# Altium PCB NeuroPico Hub.PcbDoc (part 2 of 5) (continued)
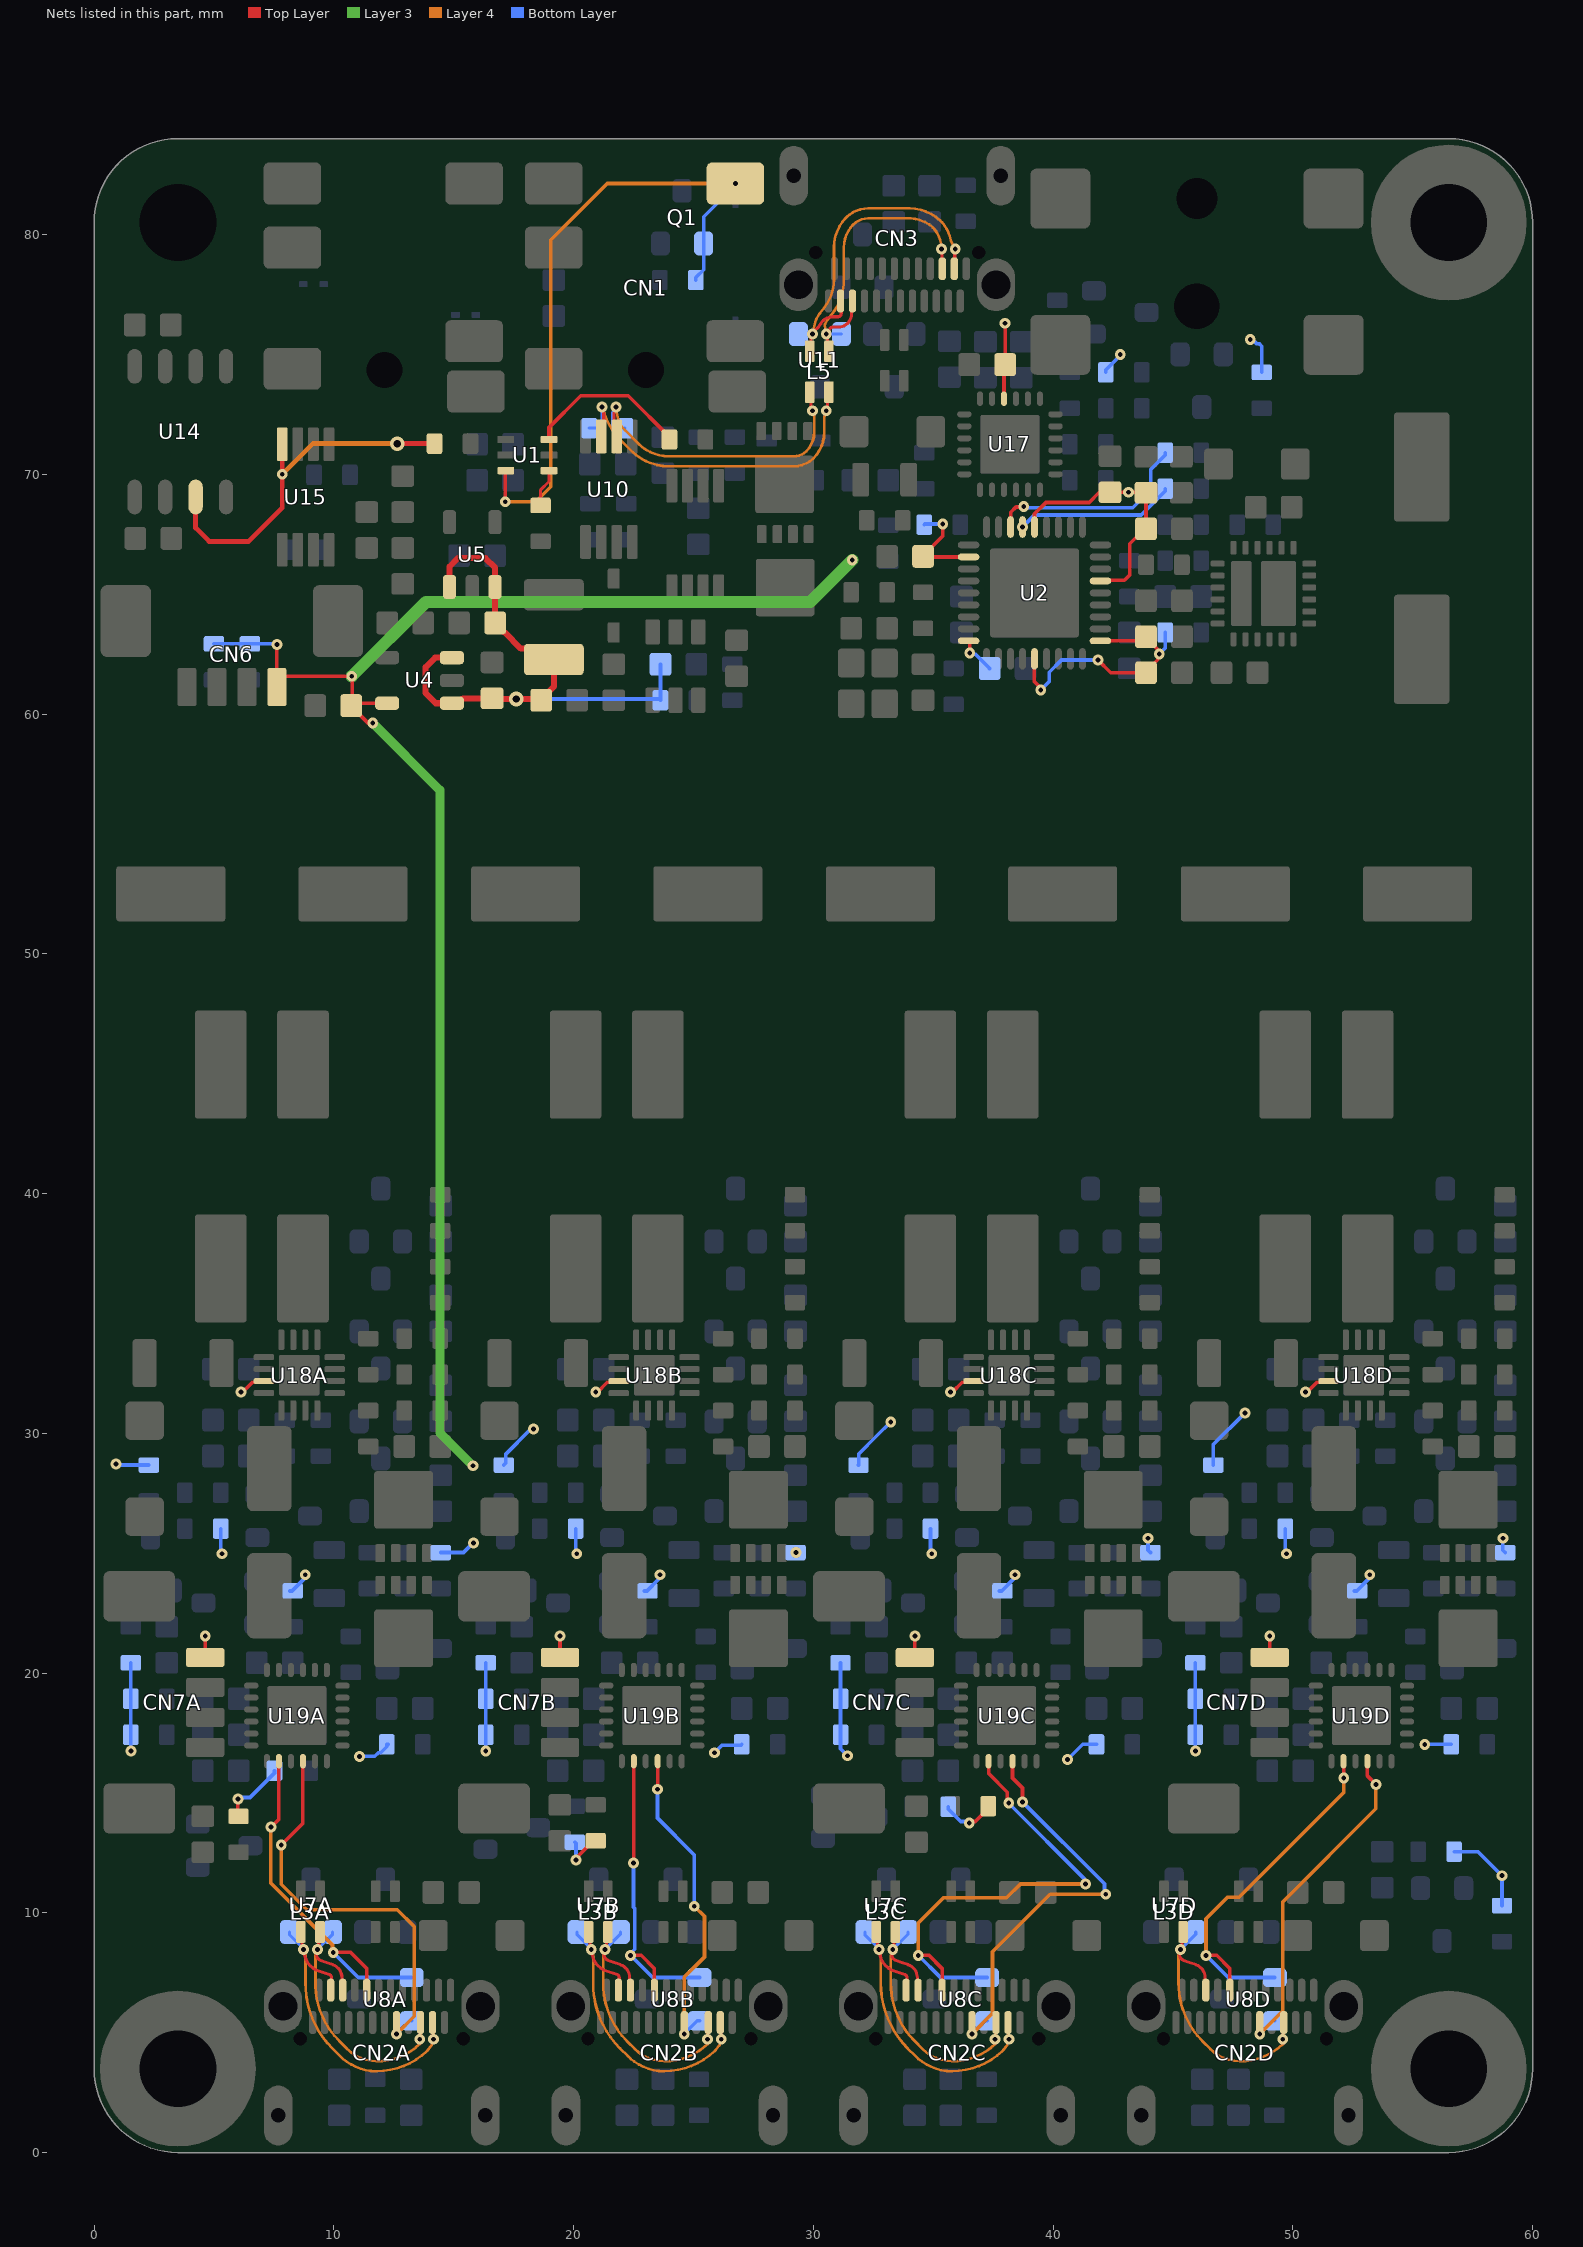
[diagram p6: the nets of this part, all layers, seen from the top]
## Part data (continued)
U1: library part CMP-9A0-0002-3, "Encoders, Decoders, Multiplexers & Demultiplexers 74LVC1G157GV-Q100/SC-74/REEL 7", LCSC Part N.=C135822, Max Output current=32mA, Max Supply Voltage=5.5V, Min Supply Voltage=1.65V, PartNumber=74LVC1G157GV
U2: library part CMP-930-0006-5, "USB251xB Series 3.6 V Surface Mount USB 2.0 Hi-Speed Hub Controller - QFN-36", LCSC Part N.=C16251, Operating Supply Voltage=3.3V, PartNumber=USB2514B-AEZC-TR, Data Rate=480Mbps, Number of Ports=4, Pick&PlaceFootprint=QFN36
U3: library part CMP-970-0044-2, "Step-down type Adjustable 800mV~15V 1.2A 4.5V~24V Switching Regulator/Controller", LCSC Part N.=C425775, Max Input Voltage=24V, Max Output current=1.2A, Max Output Voltage=15V, Min Input Voltage=4.5V, PartNumber=RT8259GJ6, Reference Voltage=0.8V, Switching Frequency=1.4MHz, Pick&PlaceFootprint=SOT23-6, RDS(ON)=300mR, Switcher Configuration=BUCK
U4 U5: library part CMP-970-0017-6, "LDO Regulator Pos 3.3V 0.2A 5-Pin SOT-23-5 200mA", Dropout Voltage=102mV, LCSC Part N.=C9840, Max Input Voltage=5.5V, Max Output current=200mA, Output Voltage=3.3V, PartNumber=TPS79333DBVR, Quiescent Current=170uA, Accuracy=2%, Line Regulation=0.05%, Load Regulation=0.03%, Output Noise=32uV, Output Type=Fixed, Pick&PlaceFootprint=SOT23-5, PSRR=70dB
U6A U6B U6C U6D U8A U8B U8C U8D U9 U12: library part CMP-210-0005-2, "Low capacitance double bidirectional ESD protection diodes in SOT23", Breakdown Voltage=7.5V, Clamp Voltage=10V, LCSC Part N.=C2858724, Stand-off Voltage=5V, PartNumber=PESD5V0L2BT, Pick&PlaceFootprint=SOT-23
U7A U7B U7C U7D U11: library part CMP-210-0000-4, "19V 13.3V 12V SOT-23 Electrostatic and Surge Protection (TVS/ESD)", Breakdown Voltage=13.3V, Clamp Voltage=19V, LCSC Part N.=C32677, PartNumber=PSM712-LF-T7, Stand-off Voltage=12V, Mount="Surface Mount", Pick&PlaceFootprint=SOT-23
U10 U15: library part CMP-930-0015-1, "3.3-V to 5-V RS-485 transceiver with ±18-kV IEC ESD protection 8-VSSOP -40 to 125", LCSC Part N.=C2860896, Max Supply Voltage=5V, Min Supply Voltage=3.3V, PartNumber=THVD1450DGKR, Data Rate=50Mbps, Simplex/Duplex="Half Duplex"
U13: library part CMP-970-0065-3, "Smart Electronic Fuse with Accurate Load Current Monitor 2.7mOhm 15A 2.7V to 24V 24-Pin VQFN T/R", LCSC Part N.=C2155765, Output Current=15A, PartNumber=TPS259827ONRGET, Accuracy=1.5%, Max Vin=24V, Min Vin=2.7V, RdsOn=2.7mR
U14: library part CMP-930-0008-4, "General Purpose Digital Isolator 2500Vrms 2 Channel 10Mbps 25kV/µs CMTI 8-SOIC (0.154", LCSC Part N.=C87626, Max Supply Voltage=5.5V, Min Supply Voltage=2.7V, PartNumber=ADUM1201BRZ-RL7, Data Rate=25Mbps, Pick&PlaceFootprint=SOIC8
U16: library part CMP-970-0064-2, "OR Controller N-Channel Single Automotive 8-Pin VSSOP T/R", LCSC Part N.=C2653685, Max Supply Voltage=42V, Min Supply Voltage=550mV, PartNumber=LM74670QDGKTQ1
U17: library part CMP-970-0029-9, "Power Supply Support Circuit", LCSC Part N.=C2678061, PartNumber=STUSB4500QTR, Pick&PlaceFootprint=QFN24
U18A U18B U18C U18D: library part CMP-970-0061-2, "5-A, 40-V, wide VIN boost, flyback, & SEPIC converter 16-WQFN -40 to 150", LCSC Part N.=C169167, Max Input Voltage=32V, Max Output current=5A, Max Output Voltage=38V, Min Input Voltage=2.9V, PartNumber=TPS55340RTER, Reference Voltage=1.229V, Switching Frequency=1.14MHz, RDS(ON)=120mR, Switcher Configuration=Boost
U19A U19B U19C U19D: library part CMP-970-0030-12, "Power Supply Support Circuit, Adjustable, 1 Channel, +0.2,.4..8,1.6,2.6", LCSC Part N.=C2655458, PartNumber=STUSB4710AQTR, Pick&PlaceFootprint=QFN24
X1: library part CMP-400-0005-2, "SMD XTL MHZ +/-10PPM, +/-15PPM-30-85C 12.0PF 250T/R", Frequency=24MHz, LCSC Part N.=C255951, PartNumber=Q24FA20H00153, Load Capatitance=12pF, Mount=SMD, Type=Passive

## Free pads (board coordinates)
  round 6.5 hole 3.2: 0(3.5,3.5) 0(56.5,3.5) 0(56.5,80.5)
  round 0 hole 3.2 unplated: 0(3.5,80.5)

## Via types
v1: diameter 0.45, hole 0.2, Top Layer to Bottom Layer, tented both sides, 570 vias
v2: diameter 0.5, hole 0.2, Top Layer to Bottom Layer, tented both sides, 38 vias
v3: diameter 0.61, hole 0.305, Top Layer to Bottom Layer, tented both sides, 23 vias

## Nets (pads, with @x,y where several pads share a name; then routed paths per layer and width w, separated by ;. In a path a pad name is that pad's centre, name@x,y a point inside that pad or via, vN(x,y) a via of type N, cw(c..) or ccw(c..) an arc to the next point about the centre after c; other vN are vias at no path point)
3V3: C6.2 C7.2 C8.2 C9.2 C10.2 C11.2 C12.2 C19.2 C46.2 CN6.1 CN7A.1 CN7B.1 CN7C.1 CN7D.1 R6.1 R15.1 R16.1 R24.2 R39.2 R40.2 R50A.2 R50B.2 R50C.2 R50D.2 R51A.2 R51B.2 R51C.2 R51D.2 R52A.2 R52B.2 R52C.2 R52D.2 R53A.2 R53B.2 R53C.2 R53D.2 R54A.2 R54B.2 R54C.2 R54D.2 R55A.2 R55B.2 R55C.2 R55D.2 R56A.2 R56B.2 R56C.2 R56D.2 R57A.2 R57B.2 R57C.2 R57D.2 R63A.2 R63B.2 R63C.2 R63D.2 R64A.2 R64B.2 R64C.2 R64D.2 U2.5 U2.10 U2.15 U2.23 U2.29 U2.36 U4.5 U17.22 U18A.3 U18B.3 U18C.3 U18D.3 | length 159.9
  Top Layer w0.152: CN7A.1@4.635,20.65 4.635,21.525 v1@4.66,21.55 ; v1(6,14.75) 6,14.05 R55A.2@6.025,14.025 ; v1(6.125,31.725) 6.206,31.725 6.607,32.126 7.036,32.126 U18A.3@7.085,32.175 ; CN6.1@7.625,61.125 7.625,61.203 v1(7.625,62.9) ; CN6.1@7.664,61.164 7.664,61.292 7.947,61.575 v1(10.75,61.575) 10.775,61.55 C19.2@10.775,60.4 ; C19.2@10.725,60.35 10.725,60.325 11.425,59.625 v1(11.625,59.625) ; C19.2@10.825,60.45 U4.5@12.225,60.45 ; CN7B.1@19.435,20.65 19.435,21.525 v1@19.46,21.55 ; v1(20.1,12.2) 20.1,12.272 20.828,13 R55B.2@20.925,13 ; v1(20.925,31.725) 21.006,31.725 21.407,32.126 21.836,32.126 U18B.3@21.885,32.175 ; CN7C.1@34.235,20.65 34.235,21.525 v1@34.26,21.55 ; v1(35.4,67.925) 35.391,67.916 35.391,67.416 34.6,66.625 34.6,66.55 U2.29@36.475,66.55 ; v1(35.725,31.725) 35.806,31.725 36.207,32.126 36.636,32.126 U18C.3@36.685,32.175 ; U2.36@36.475,63.05 36.525,63 v1(36.525,62.55) ; v1(36.5,13.75) 36.557,13.807 36.757,13.807 37.3,14.35 R55C.2@37.3,14.45 ; U17.22@37.95,73.15 37.95,74.525 C46.2@38,74.575 v1(38,76.3) ; U2.5@39.225,62.3 39.212,62.287 39.212,61.354 39.484,61.082 v1(39.484,61.002) ; U2.23@39.225,67.8 39.225,68.35 39.7,68.825 41.505,68.825 41.93,69.25 C6.2@42.012,69.25 ; v1(41.875,62.25) 42.4,61.725 C10.2@43.875,61.725 43.875,61.77 44.368,62.263 44.368,62.443 v1(44.425,62.5) 44.368,62.557 44.368,62.687 43.875,63.18 C9.2@43.875,63.225 43.7,63.05 U2.10@41.975,63.05 ; U2.15@41.975,65.55 41.999,65.574 42.974,65.574 43.2,65.8 43.2,67.1 C12.2@43.825,67.725 ; C6.2@42.413,69.25 v1(43.15,69.25) 43.85,69.25 C7.2@43.875,69.225 C12.2@43.875,67.725 ; CN7D.1@49.035,20.65 49.035,21.525 v1@49.06,21.55 ; v1(50.525,31.725) 50.606,31.725 51.007,32.126 51.436,32.126 U18D.3@51.485,32.175
  Layer 3 w0.381: v1(11.625,59.625) 14.425,56.825 14.425,30.025 v1(15.8,28.65)
  Layer 3 w0.508: v1(10.75,61.575) 13.85,64.675 29.875,64.675 v1(31.625,66.425)
  Bottom Layer w0.152: v1(0.91,28.725) 0.96,28.675 R50A.2@2.285,28.675 ; v1(1.535,16.75) R64A.2@1.535,17.425 R63A.2@1.535,18.925 1.535,19.7 R51A.2@1.535,20.425 ; R40.2@5,62.925 R39.2@6.5,62.925 7.6,62.925 v1(7.625,62.9) ; R52A.2@5.285,26.025 5.285,25.025 v1(5.335,24.975) ; v1(6,14.75) 6.057,14.807 6.504,14.807 7.525,15.828 R54A.2@7.525,15.925 ; R53A.2@8.16,23.425 8.26,23.425 8.753,23.918 8.753,24.043 v1(8.81,24.1) ; v1(11.075,16.525) 11.71,16.525 11.864,16.679 11.962,16.679 12.21,16.928 R57A.2@12.21,17.025 ; R57A.2@12.25,17 R57A.2@12.275,17.025 ; R56A.2@14.46,25.025 15.408,25.025 15.808,25.425 v1(15.825,25.425) ; v1(16.335,16.75) R64B.2@16.335,17.425 R63B.2@16.335,18.925 16.335,19.7 R51B.2@16.335,20.425 ; R50B.2@17.085,28.675 17.178,28.768 17.178,29.139 18.157,30.118 18.268,30.118 v1(18.325,30.175) ; R54B.2@20.05,12.95 20.1,12.9 v1(20.1,12.2) ; R52B.2@20.085,26.025 20.085,25.025 v1(20.135,24.975) ; R53B.2@22.96,23.425 23.06,23.425 23.553,23.918 23.553,24.043 v1(23.61,24.1) ; v1(25.875,16.675) 26.196,16.995 26.98,16.995 R57B.2@27.01,17.025 ; R56B.2@29.26,25.025 v1(29.275,25.025) ; R51C.2@31.135,20.425 31.135,19.7 R63C.2@31.135,18.925 R64C.2@31.135,17.425 31.135,16.84 v1(31.425,16.55) ; R50C.2@31.885,28.675 31.889,28.679 31.889,29.139 32.651,29.901 v1(33.225,30.475) ; R6.1@34.625,67.9 34.65,67.925 v1(35.4,67.925) ; R52C.2@34.885,26.025 34.885,25.025 v1(34.935,24.975) ; R54C.2@35.625,14.425 35.625,14.325 36.143,13.807 36.443,13.807 v1(36.5,13.75) ; v1(36.525,62.55) 36.582,62.493 36.762,62.493 37.35,61.905 C8.2@37.35,61.9 ; R53C.2@37.76,23.425 37.86,23.425 38.353,23.918 38.353,24.043 v1(38.41,24.1) ; v1(39.484,61.002) 39.841,61.359 39.841,61.741 40.35,62.25 v1(41.875,62.25) ; v1@40.592,16.415 v1(40.607,16.4) 41.232,17.025 R57C.2@41.81,17.025 ; R15.1@42.2,74.25 42.2,74.353 42.8,74.953 v1(42.8,75) ; v1(43.96,25.62) 43.96,25.125 R56C.2@44.06,25.025 ; v1(44.425,62.5) 44.675,62.75 R24.2@44.675,63.4 ; v1(45.935,16.75) R64D.2@45.935,17.425 R63D.2@45.935,18.925 45.935,19.7 R51D.2@45.935,20.425 ; R50D.2@46.685,28.675 46.685,29.535 v1(48,30.85) ; v1(48.225,75.625) 48.306,75.625 48.481,75.45 48.592,75.45 48.7,75.342 R16.1@48.7,74.25 ; R52D.2@49.685,26.025 49.685,25.025 v1(49.735,24.975) ; R53D.2@52.56,23.425 52.66,23.425 53.153,23.918 53.153,24.043 v1(53.21,24.1) ; v1(55.5,17.025) R57D.2@56.61,17.025 ; R55D.2@56.725,12.55 57.725,12.55 v1(58.725,11.55) R54D.2@58.725,10.3 ; v1(58.76,25.62) 58.76,25.125 R56D.2@58.86,25.025
  other v1: 4.635,21.55 19.435,21.55 34.235,21.55 49.035,21.55
3V76: C16.2 C17.2 C18.2 C22.2 L1.2 R12.2 U4.1 U4.3 U5.1 U5.3 | length 25.4
  Top Layer w0.254: U5.1@14.825,65.3 14.825,66.15 15.175,66.5 16.325,66.5 16.725,66.1 U5.3@16.725,65.3 C18.2@16.725,63.8 16.725,63.795 17.118,63.401 17.124,63.401 17.801,62.724 18.726,62.724 L1.2@19.175,62.275 19.175,61.145 18.65,60.62 C17.2@18.65,60.575 18.6,60.625 v3(17.613,60.625) 16.625,60.625 C22.2@16.6,60.65 15.383,60.65 15.183,60.45 14.25,60.45 13.825,60.875 13.825,61.95 14.225,62.35 U4.3@14.925,62.35
  Bottom Layer w0.152: v3(17.613,60.625) 23.575,60.625 R12.2@23.625,60.575 C16.2@23.625,62.075
C\L\K\_\D\E\T\: CN1.4 D3.2 Q1.1 R3.1 U1.6 | length 27.2
  Top Layer w0.152: v1(17.15,68.85) 17.15,70.125 U1.6@17.175,70.15
  Layer 4 w0.152: v1(17.15,68.85) 18.425,68.85 19.05,69.475 19.05,79.775 21.4,82.125 v1(26.75,82.125)
  Bottom Layer w0.152: R3.1@25.1,78.1 25.1,78.203 25.425,78.528 Q1.1@25.425,79.625 25.425,80.745 26.75,82.07 v1(26.75,82.125)
CC10: CN2A.A5 U8A.1 U19A.2 | length 15.5
  Top Layer w0.152: v1(7.376,13.573) 7.71,13.907 U19A.2@7.71,16.325 ; v1(9.975,8.348) 10.702,8.348 11.37,7.68 CN2A.A5@11.37,6.775
  Layer 4 w0.152: v1(7.376,13.573) 7.376,11.229 9.948,8.657 9.948,8.375 v1(9.975,8.348)
  Bottom Layer w0.152: v1(9.975,8.348) 11.023,7.3 U8A.1@13.25,7.3
CC11: CN2B.A5 U8B.1 U19B.2 | length 13.6
  Top Layer w0.152: v1(22.375,8.225) 22.825,8.225 23.37,7.68 CN2B.A5@23.37,6.775 ; v1(22.5,12.075) 22.51,12.085 U19B.2@22.51,16.325
  Bottom Layer w0.152: v1(22.5,12.075) 22.5,10.237 22.553,10.184 22.553,8.484 22.375,8.306 v1(22.375,8.225) 23.3,7.3 U8B.1@25.25,7.3
CC12: CN2C.A5 U8C.1 U19C.2 | length 21.2
  Top Layer w0.152: v1(34.375,8.225) 34.825,8.225 35.37,7.68 CN2C.A5@35.37,6.775 ; U19C.2@37.31,16.325 37.323,16.312 37.323,15.796 38.093,15.027 38.093,14.632 v1(38.15,14.575)
  Layer 4 w0.152: v1(34.375,8.225) 34.375,9.575 35.434,10.634 38.067,10.634 38.636,11.203 v1(41.35,11.203)
  Bottom Layer w0.152: v1(34.375,8.225) 35.3,7.3 U8C.1@37.25,7.3 ; v1(38.15,14.575) 41.293,11.432 41.293,11.26 v1(41.35,11.203)
CC13: CN2D.A5 U8D.1 U19D.2 | length 16.2
  Top Layer w0.152: v1(46.375,8.225) 46.825,8.225 47.37,7.68 CN2D.A5@47.37,6.775 ; U19D.2@52.11,16.325 52.118,16.318 52.118,15.632 v1(52.125,15.625)
  Layer 4 w0.152: v1(46.375,8.225) 46.375,9.75 47.275,10.65 47.755,10.65 52.125,15.02 v1(52.125,15.625)
  Bottom Layer w0.152: v1(46.375,8.225) 47.3,7.3 U8D.1@49.25,7.3
CC20: CN2A.B5 U8A.2 U19A.4 | length 17.9
  Top Layer w0.152: v1(7.804,12.825) 8.71,13.731 U19A.4@8.71,16.325 ; v1(12.618,4.949) v1(12.618,4.949) CN2A.B5@12.62,5.425
  Layer 4 w0.152: v1(7.804,12.825) 7.804,11.196 8.871,10.129 12.646,10.129 13.35,9.425 13.35,5.681 v1(12.618,4.949)
  Bottom Layer w0.152: v1(12.618,4.949) 12.618,4.958 13.16,5.5 U8A.2@13.25,5.5
CC21: CN2B.B5 U8B.2 U19B.4 | length 13.9
  Top Layer w0.152: v1(23.5,15.15) 23.505,15.155 23.505,16.32 U19B.4@23.51,16.325 ; v1(24.618,4.949) 24.62,4.951 CN2B.B5@24.62,5.425
  Layer 4 w0.152: v1(24.618,4.949) 24.618,7.318 25.46,8.16 25.46,9.852 v1(25.034,10.277)
  Bottom Layer w0.152: v1(23.5,15.15) 23.5,13.95 25.034,12.416 v1(25.034,10.277) ; v1(24.618,4.949) 24.618,4.958 25.16,5.5 U8B.2@25.25,5.5
CC22: CN2C.B5 U8C.2 U19C.4 | length 18
  Top Layer w0.152: v1(36.618,4.949) v1(36.618,4.949) CN2C.B5@36.62,5.425 ; U19C.4@38.31,16.325 38.31,15.622 38.725,15.207 v1(38.725,14.625)
  Layer 4 w0.152: v1(36.618,4.949) 37.475,5.806 37.475,8.375 39.875,10.775 v1(42.2,10.775)
  Bottom Layer w0.152: v1(36.618,4.949) 36.618,4.958 37.16,5.5 U8C.2@37.25,5.5 ; v1(38.725,14.625) 42.143,11.207 42.143,10.832 v1(42.2,10.775)
CC23: CN2D.B5 U8D.2 U19D.4 | length 14.9
  Top Layer w0.152: v1(48.618,4.949) 48.62,4.951 CN2D.B5@48.62,5.425 ; U19D.4@53.11,16.325 53.11,15.71 v1(53.463,15.357)
  Layer 4 w0.152: v1(48.618,4.949) 49.575,5.906 49.575,10.45 53.463,14.338 v1(53.463,15.357)
  Bottom Layer w0.152: v1(48.618,4.949) 48.618,4.958 49.16,5.5 U8D.2@49.25,5.5
CFG_SEL0: R8.1 U2.24 | length 6.7
  Bottom Layer w0.152: v1(38.725,67.8) 39.225,68.3 43.672,68.3 44.675,69.303 R8.1@44.675,69.4
CFG_SEL1: R9.1 U2.25 | length 8.7
  Top Layer w0.152: U2.25@38.225,67.8 38.237,67.812 38.237,68.412 38.457,68.632 38.757,68.632 v1(38.775,68.65)
  Bottom Layer w0.152: v1(38.775,68.65) 38.825,68.6 43.325,68.6 44.075,69.35 44.075,70.2 44.675,70.8 R9.1@44.675,70.9
CLK_CN_N: CN3.A10 CN3.B10 L5.4 U11.2 | length 13.6
  Top Layer w0.13: L5.4@30.65,75.125 30.594,75.181 30.594,75.794 v1(30.539,75.85) 30.682,76.053 cw(c30.802,76.004) 30.801,76.134 31.033,76.134 ccw(c31.033,76.698) 31.597,76.699 31.597,76.862 CN3.A10@31.63,77.225 ; v1(35.341,79.4) 35.361,79.381 35.361,78.594 CN3.B10@35.38,78.575
  Layer 4 w0.112: v1(30.539,75.85) 30.48,76.2 cw(c30.591,76.218) 30.494,76.274 30.592,76.443 cw(c30.688,76.387) 30.602,76.457 30.732,76.618 ccw(c28.839,78.151) 31.275,78.148 ccw(c28.839,78.151) 31.275,78.15 31.275,79.463 31.275,79.466 cw(c32.624,79.466) 31.666,80.416 31.668,80.418 cw(c31.751,80.343) 31.673,80.422 cw(c32.286,79.795) 32.286,80.672 34.007,80.672 34.011,80.672 cw(c34.009,79.208) 34.012,80.672 cw(c34.009,79.208) 34.059,80.671 cw(c34.009,79.224) 34.993,80.286 cw(c34.918,80.204) 34.997,80.283 35.038,80.242 cw(c34.96,80.162) 35.046,80.234 cw(c34.018,79.4) v1(35.341,79.4)
  Bottom Layer w0.13: v1(30.539,75.85) U11.2@31.175,75.85
CLK_CN_P: CN3.A11 CN3.B11 L5.1 U11.1 | length 14.5
  Top Layer w0.13: L5.1@29.85,75.125 29.906,75.181 29.906,75.794 v1(29.961,75.85) cw(c30.091,75.85) 30.002,75.944 30.221,76.154 30.27,76.223 30.308,76.278 cw(c30.802,76.004) 30.801,76.568 31.033,76.568 ccw(c31.033,76.698) 31.163,76.698 31.163,76.862 CN3.A11@31.13,77.225 ; CN3.B11@35.88,78.575 35.899,78.594 35.899,79.381 v1(35.918,79.4)
  Layer 4 w0.112: v1(29.961,75.85) 30.076,76.339 cw(c30.591,76.218) 30.133,76.482 30.231,76.651 cw(c30.592,76.443) 30.232,76.653 cw(c30.688,76.387) 30.278,76.719 30.408,76.88 ccw(c28.839,78.151) 30.858,78.148 ; 30.858,78.15 30.858,79.463 30.858,79.466 cw(c32.625,79.466) 31.37,80.709 cw(c31.45,80.631) 31.371,80.71 31.379,80.718 cw(c31.673,80.422) 31.381,80.72 cw(c32.286,79.795) 32.286,81.089 34.009,81.089 34.016,81.089 cw(c34.009,79.224) 35.279,80.59 cw(c34.918,80.204) 35.289,80.58 35.355,80.515 ; 35.355,80.514 35.356,80.513 cw(c34.323,79.534) 35.726,79.775 ccw(c35.836,79.795) 35.737,79.743 v1(35.918,79.4)
CLK_IN: R1.1 U1.3 | length 6.9
  Top Layer w0.152: U1.3@18.975,71.45 18.975,71.95 20.3,73.275 22.275,73.275 24,71.55 R1.1@24,71.45
CLK_N: L5.3 R18.1 U10.7 | length 15.7
  Top Layer w0.13: U10.7@21.15,71.575 21.258,71.683 21.258,72.564 21.248,72.574 21.248,72.739 v1(21.187,72.8) ; v1(30.539,72.65) 30.594,72.706 30.594,73.369 L5.3@30.65,73.425
  Layer 4 w0.112: v1(21.187,72.8) 21.301,72.485 ccw(c24.142,73.519) 21.494,72.06 21.588,71.89 ccw(c23.032,72.685) 21.86,71.526 22.231,71.155 22.409,70.977 ccw(c23.971,72.55) 23.971,70.333 29.201,70.333 ccw(c29.2,71.474) 29.997,70.658 29.999,70.66 cw(c30.08,70.584) 30.001,70.662 ccw(c29.2,71.473) 30.005,70.666 ccw(c28.898,71.766) 30.458,71.765 30.458,71.767 30.458,72.415 30.474,72.431 30.474,72.585 v1(30.539,72.65)
  Bottom Layer w0.13: R18.1@20.65,71.925 21.107,71.925 21.183,72.001 21.183,72.365 21.196,72.378 21.196,72.791 v1(21.187,72.8)
CLK_OUT: R2.1 U14.3 U15.4 | length 15.3
  Top Layer w0.203: U14.3@4.235,69.05 4.235,67.765 4.8,67.2 6.45,67.2 7.85,68.6 U15.4@7.85,71.25 U15.4@7.861,71.261 ; v3(12.65,71.275) R2.1@14.2,71.275
  Layer 4 w0.203: v1(7.85,70) 9.125,71.275 v3(12.65,71.275)
CLK_P: L5.2 R18.2 U10.6 | length 14.2
  Top Layer w0.13: 21.692,72.564 21.692,71.683 U10.6@21.8,71.575 ; L5.2@29.85,73.425 29.906,73.369 29.906,72.706 v1(29.961,72.65)
  Layer 4 w0.112: v1(21.764,72.8) 21.819,72.473 ccw(c23.032,72.685) 22.155,71.82 22.156,71.819 22.702,71.273 ; 22.703,71.272 ccw(c23.971,72.55) 23.971,70.75 29.201,70.75 ccw(c29.2,71.473) 29.706,70.956 29.708,70.959 ccw(c29.2,71.473) 29.71,70.96 ccw(c28.898,71.766) 30.042,71.765 30.042,71.767 30.042,72.415 30.026,72.431 30.026,72.585 v1(29.961,72.65)
  Bottom Layer w0.13: v1@21.621,72.8 21.702,72.719 21.702,72.652 21.63,72.58 21.63,72.198 21.617,72.185 21.617,72.001 21.693,71.925 R18.2@22.15,71.925
CLK_USB: R19.2 U1.1 | length 1.6
  Top Layer w0.13: R19.2@18.625,68.7 18.625,69.35 18.975,69.7 U1.1@18.975,70.15
CLKOUT_CNA_N: CN2A.A3 CN2A.B3 L3A.3 U7A.1 | length 13
  Top Layer w0.13: L3A.3@9.425,9.2 9.369,9.144 9.369,8.531 v1(9.314,8.475) 9.278,8.333 ccw(c9.542,8.268) 9.453,8.011 9.692,7.927 9.959,7.835 cw(c9.773,7.302) 10.337,7.302 ; 10.337,7.301 10.337,6.854 ccw(c10.449,6.854) CN2A.A3@10.37,6.775 ; v1(13.582,4.725) ccw(c13.535,4.771) 13.601,4.771 13.601,5.379 cw(c13.666,5.379) CN2A.B3@13.62,5.425
  Layer 4 w0.112: v1(9.314,8.475) ccw(c9.47,8.319) 9.249,8.319 9.249,8.256 ccw(c9.286,8.218) 9.233,8.218 9.233,7.094 9.233,7.092 9.233,7.055 ccw(c12.645,7.055) 9.259,6.639 cw(c7.88,6.4) 9.272,6.542 ccw(c12.645,7.055) 10.231,4.644 10.561,4.314 ccw(c11.78,5.537) 11.78,3.81 ccw(c11.78,6.449) 13.602,4.54 ccw(c13.524,4.62) 13.609,4.694 v1(13.582,4.725)
  Bottom Layer w0.13: v1(9.314,8.475) 9.319,8.475 9.95,9.106 U7A.1@9.95,9.2
CLKOUT_CNA_P: CN2A.A2 CN2A.B2 L3A.2 U7A.2 | length 14.2
  Top Layer w0.13: L3A.2@8.625,9.2 8.681,9.144 8.681,8.531 v1(8.737,8.475) ; v1@8.771,8.385 ccw(c9.597,8.375) 9.123,7.699 9.136,7.689 ccw(c9.542,8.268) 9.31,7.6 9.816,7.424 cw(c9.773,7.302) 9.903,7.302 9.903,7.138 CN2A.A2@9.87,6.775 ; CN2A.B2@14.12,5.425 cw(c14.074,5.379) 14.139,5.379 14.139,4.771 ccw(c14.205,4.771) v1(14.159,4.725)
  Layer 4 w0.112: v1(8.737,8.475) cw(c8.58,8.319) 8.801,8.319 8.801,8.278 ccw(c8.854,8.278) 8.817,8.24 8.817,7.095 ccw(c9.233,7.094) 8.817,7.094 8.817,7.092 8.817,7.055 ccw(c12.645,7.055) 8.846,6.582 ccw(c9.053,6.608) 8.847,6.572 cw(c7.88,6.4) 8.858,6.495 ccw(c9.065,6.516) 8.859,6.486 ccw(c12.645,7.055) 9.937,4.349 10.266,4.02 10.388,3.898 10.53,3.796 ccw(c11.78,5.537) 11.78,3.394 ccw(c11.78,6.449) 13.89,4.238 ccw(c13.524,4.62) 13.943,4.298 14.065,4.457 ccw(c13.977,4.525) 14.066,4.458 14.084,4.482 14.094,4.506 ; 14.094,4.506 v1@14.158,4.725
  Bottom Layer w0.13: U7A.2@8.15,9.2 8.15,9.081 8.737,8.494 v1(8.737,8.475)
CLKOUT_CNB_N: CN2B.A3 CN2B.B3 L3B.3 U7B.1 | length 15.4
  Top Layer w0.13: L3B.3@21.425,9.2 21.369,9.144 v1@21.369,8.531 ; v1(25.582,4.725) ccw(c25.535,4.771) 25.601,4.771 25.601,5.379 cw(c25.666,5.379) CN2B.B3@25.62,5.425 ; v1@21.278,8.333 ccw(c21.542,8.268) 21.453,8.011 ; v1@21.278,8.333 ccw(c21.542,8.268) 21.453,8.011 ; v1@21.278,8.333 v1(21.314,8.475) ; v1@21.278,8.333 v1(21.314,8.475) ; v1(21.314,8.475) v1@21.369,8.531 ; v1(21.314,8.475) v1@21.369,8.531 ; 21.453,8.011 21.692,7.927 ; 21.453,8.011 21.692,7.927 ; 21.692,7.927 21.959,7.835 ; 21.692,7.927 21.959,7.835 ; 21.959,7.835 cw(c21.773,7.302) 22.337,7.302 ccw(c21.773,7.302) 21.959,7.835 ; CN2B.A3@22.337,6.854 ccw(c22.449,6.854) CN2B.A3@22.37,6.775 cw(c22.449,6.854) CN2B.A3@22.337,6.854 ; CN2B.A3@22.337,6.854 22.337,7.301 CN2B.A3@22.337,6.854
  Layer 4 w0.112: v1(21.314,8.475) ccw(c21.47,8.319) 21.249,8.319 21.249,8.256 ccw(c21.286,8.218) 21.233,8.218 21.233,7.094 21.233,7.092 21.233,7.055 ccw(c24.645,7.055) 21.259,6.639 cw(c19.88,6.4) 21.272,6.542 ccw(c24.645,7.055) 22.231,4.644 22.561,4.314 ccw(c23.78,5.537) 23.78,3.81 ccw(c23.78,6.449) 25.602,4.54 ccw(c25.524,4.62) 25.609,4.694 v1(25.582,4.725)
  Bottom Layer w0.13: U7B.1@21.95,9.2 21.95,9.106 v1@21.319,8.475 ; v1@21.319,8.475 v1(21.314,8.475) v1@21.319,8.475
CLKOUT_CNB_P: CN2B.A2 CN2B.B2 L3B.2 U7B.2 | length 16.5
  Top Layer w0.13: L3B.2@20.625,9.2 20.681,9.144 v1@20.681,8.531 ; CN2B.B2@26.12,5.425 cw(c26.074,5.379) 26.139,5.379 26.139,4.771 ccw(c26.205,4.771) v1(26.159,4.725) ; v1@20.681,8.531 v1(20.737,8.475) v1@20.681,8.531 ; 21.123,7.699 cw(c21.597,8.375) 20.771,8.385 ccw(c21.597,8.375) 21.123,7.699 ; 21.123,7.699 21.136,7.689 ; 21.123,7.699 21.136,7.689 ; 21.136,7.689 ccw(c21.542,8.268) 21.31,7.6 ; 21.136,7.689 ccw(c21.542,8.268) 21.31,7.6 ; 21.31,7.6 21.816,7.424 ; 21.31,7.6 21.816,7.424 ; 21.816,7.424 cw(c21.773,7.302) 21.903,7.302 ; 21.816,7.424 cw(c21.773,7.302) 21.903,7.302 ; CN2B.A2@21.903,7.138 CN2B.A2@21.87,6.775 CN2B.A2@21.903,7.138 ; CN2B.A2@21.903,7.138 21.903,7.302 ; CN2B.A2@21.903,7.138 21.903,7.302
  Layer 4 w0.112: v1(20.737,8.475) cw(c20.58,8.319) 20.801,8.319 20.801,8.278 ccw(c20.854,8.278) 20.817,8.24 20.817,7.095 ccw(c21.233,7.094) 20.817,7.094 20.817,7.092 20.817,7.055 ccw(c24.645,7.055) 20.846,6.582 ccw(c21.053,6.608) 20.847,6.572 cw(c19.88,6.4) 20.858,6.495 ccw(c21.065,6.516) 20.859,6.486 ccw(c24.645,7.055) 21.937,4.349 22.266,4.02 22.388,3.898 22.53,3.796 ccw(c23.78,5.537) 23.78,3.394 ccw(c23.78,6.449) 25.89,4.238 ccw(c25.524,4.62) 25.943,4.298 26.065,4.457 ccw(c25.977,4.525) 26.066,4.458 26.084,4.482 26.094,4.506 ; 26.094,4.506 v1@26.158,4.725
  Bottom Layer w0.13: U7B.2@20.15,9.2 20.15,9.081 v1@20.737,8.494 ; v1@20.737,8.494 v1(20.737,8.475) v1@20.737,8.494
CLKOUT_CNC_N: CN2C.A3 CN2C.B3 L3C.3 U7C.1 | length 15.4
  Top Layer w0.13: L3C.3@33.425,9.2 33.369,9.144 v1@33.369,8.531 ; v1(37.582,4.725) ccw(c37.535,4.771) 37.601,4.771 37.601,5.379 cw(c37.666,5.379) CN2C.B3@37.62,5.425 ; v1@33.278,8.333 ccw(c33.542,8.268) 33.453,8.011 ; v1@33.278,8.333 ccw(c33.542,8.268) 33.453,8.011 ; v1@33.278,8.333 v1(33.314,8.475) ; v1@33.278,8.333 v1(33.314,8.475) ; v1(33.314,8.475) v1@33.369,8.531 ; v1(33.314,8.475) v1@33.369,8.531 ; 33.453,8.011 33.692,7.927 ; 33.453,8.011 33.692,7.927 ; 33.692,7.927 33.959,7.835 ; 33.692,7.927 33.959,7.835 ; 33.959,7.835 cw(c33.773,7.302) 34.337,7.302 ccw(c33.773,7.302) 33.959,7.835 ; CN2C.A3@34.337,6.854 ccw(c34.449,6.854) CN2C.A3@34.37,6.775 cw(c34.449,6.854) CN2C.A3@34.337,6.854 ; CN2C.A3@34.337,6.854 34.337,7.301 CN2C.A3@34.337,6.854
  Layer 4 w0.112: v1(33.314,8.475) ccw(c33.47,8.319) 33.249,8.319 33.249,8.256 ccw(c33.286,8.218) 33.233,8.218 33.233,7.094 33.233,7.092 33.233,7.055 ccw(c36.645,7.055) 33.259,6.639 cw(c31.88,6.4) 33.272,6.542 ccw(c36.645,7.055) 34.231,4.644 34.561,4.314 ccw(c35.78,5.537) 35.78,3.81 ccw(c35.78,6.449) 37.602,4.54 ccw(c37.524,4.62) 37.609,4.694 v1(37.582,4.725)
  Bottom Layer w0.13: U7C.1@33.95,9.2 33.95,9.106 v1@33.319,8.475 ; v1@33.319,8.475 v1(33.314,8.475) v1@33.319,8.475
CLKOUT_CNC_P: CN2C.A2 CN2C.B2 L3C.2 U7C.2 | length 16.5
  Top Layer w0.13: L3C.2@32.625,9.2 32.681,9.144 v1@32.681,8.531 ; CN2C.B2@38.12,5.425 cw(c38.074,5.379) 38.139,5.379 38.139,4.771 ccw(c38.205,4.771) v1(38.159,4.725) ; v1@32.681,8.531 v1(32.737,8.475) v1@32.681,8.531 ; 33.123,7.699 cw(c33.597,8.375) 32.771,8.385 ccw(c33.597,8.375) 33.123,7.699 ; 33.123,7.699 33.136,7.689 ; 33.123,7.699 33.136,7.689 ; 33.136,7.689 ccw(c33.542,8.268) 33.31,7.6 ; 33.136,7.689 ccw(c33.542,8.268) 33.31,7.6 ; 33.31,7.6 33.816,7.424 ; 33.31,7.6 33.816,7.424 ; 33.816,7.424 cw(c33.773,7.302) 33.903,7.302 ; 33.816,7.424 cw(c33.773,7.302) 33.903,7.302 ; CN2C.A2@33.903,7.138 CN2C.A2@33.87,6.775 CN2C.A2@33.903,7.138 ; CN2C.A2@33.903,7.138 33.903,7.302 ; CN2C.A2@33.903,7.138 33.903,7.302
  Layer 4 w0.112: v1(32.737,8.475) cw(c32.58,8.319) 32.801,8.319 32.801,8.278 ccw(c32.854,8.278) 32.817,8.24 32.817,7.095 ccw(c33.233,7.094) 32.817,7.094 32.817,7.092 32.817,7.055 ccw(c36.645,7.055) 32.846,6.582 ccw(c33.053,6.608) 32.847,6.572 cw(c31.88,6.4) 32.858,6.495 ccw(c33.065,6.516) 32.859,6.486 ccw(c36.645,7.055) 33.937,4.349 34.266,4.02 34.388,3.898 34.53,3.796 ccw(c35.78,5.537) 35.78,3.394 ccw(c35.78,6.449) 37.89,4.238 ccw(c37.524,4.62) 37.943,4.298 38.065,4.457 ccw(c37.977,4.525) 38.066,4.458 38.084,4.482 38.094,4.506 ; 38.094,4.506 v1@38.158,4.725
  Bottom Layer w0.13: U7C.2@32.15,9.2 32.15,9.081 v1@32.737,8.494 ; v1@32.737,8.494 v1(32.737,8.475) v1@32.737,8.494
CLKOUT_CND_N: CN2D.A3 CN2D.B3 L3D.3 U7D.1 | length 15.4
  Top Layer w0.13: L3D.3@45.425,9.2 45.369,9.144 v1@45.369,8.531 ; v1(49.582,4.725) ccw(c49.535,4.771) 49.601,4.771 49.601,5.379 cw(c49.666,5.379) CN2D.B3@49.62,5.425 ; v1@45.278,8.333 ccw(c45.542,8.268) 45.453,8.011 ; v1@45.278,8.333 ccw(c45.542,8.268) 45.453,8.011 ; v1@45.278,8.333 v1(45.314,8.475) ; v1@45.278,8.333 v1(45.314,8.475) ; v1(45.314,8.475) v1@45.369,8.531 ; v1(45.314,8.475) v1@45.369,8.531 ; 45.453,8.011 45.692,7.927 ; 45.453,8.011 45.692,7.927 ; 45.692,7.927 45.959,7.835 ; 45.692,7.927 45.959,7.835 ; 45.959,7.835 cw(c45.773,7.302) 46.337,7.302 ccw(c45.773,7.302) 45.959,7.835 ; CN2D.A3@46.337,6.854 ccw(c46.449,6.854) CN2D.A3@46.37,6.775 cw(c46.449,6.854) CN2D.A3@46.337,6.854 ; CN2D.A3@46.337,6.854 46.337,7.301 CN2D.A3@46.337,6.854
  Layer 4 w0.112: v1(45.314,8.475) ccw(c45.47,8.319) 45.249,8.319 45.249,8.256 ccw(c45.286,8.218) 45.233,8.218 45.233,7.094 45.233,7.092 45.233,7.055 ccw(c48.645,7.055) 45.259,6.639 cw(c43.88,6.4) 45.272,6.542 ccw(c48.645,7.055) 46.231,4.644 46.561,4.314 ccw(c47.78,5.537) 47.78,3.81 ccw(c47.78,6.449) 49.602,4.54 ccw(c49.524,4.62) 49.609,4.694 v1(49.582,4.725)
  Bottom Layer w0.13: U7D.1@45.95,9.2 45.95,9.106 v1@45.319,8.475 ; v1@45.319,8.475 v1(45.314,8.475) v1@45.319,8.475